# Altium PCB PCB1.PcbDoc
Units mm, origin at the board's own origin, x right, y up, seen from the top; angles counter-clockwise.
Board outline 168.05 x 115.29 mm, 2 copper layers (Top Layer, Bottom Layer); 95 components, 71 nets, 284 pads, 37 vias.
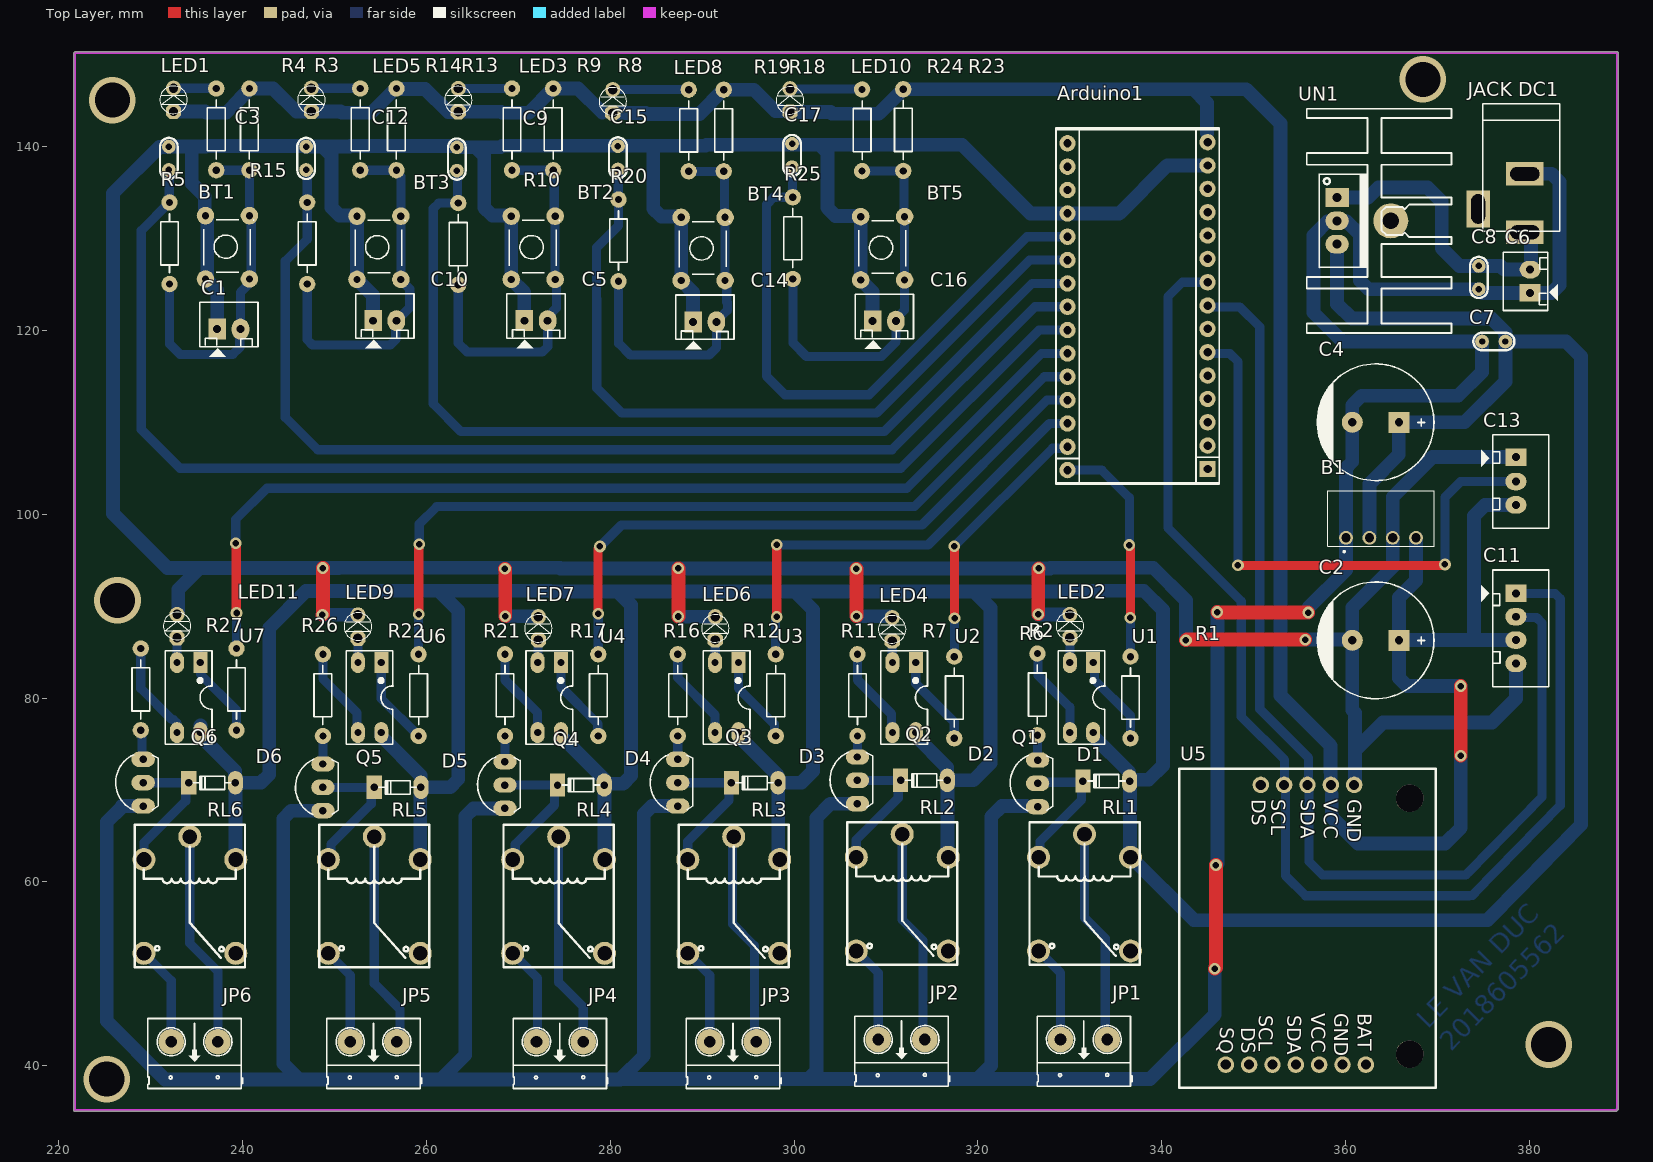
[diagram p0: Top Layer view]
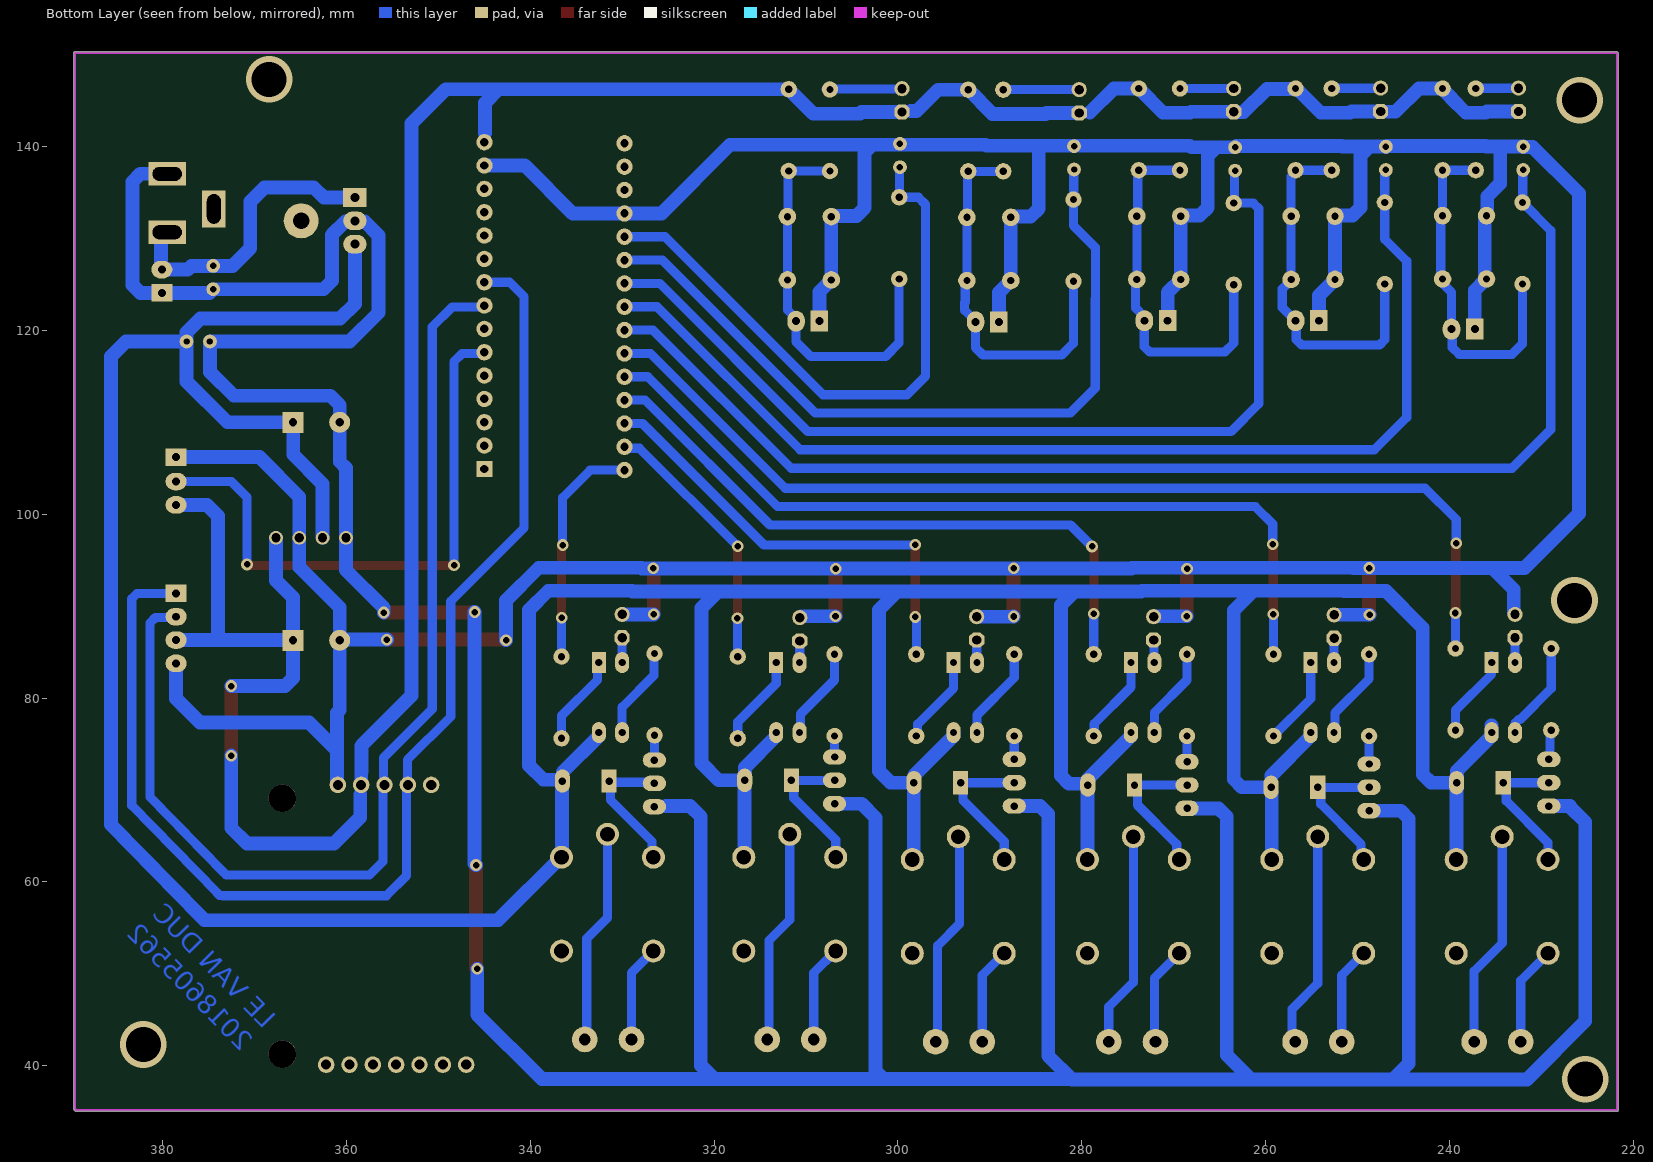
[diagram p1: Bottom Layer view, seen from below]

## Layer stack, top to bottom
Top Solder: solder mask 0.0102, Solder Resist, Dk 3.5
Top Layer: signal copper 0.0356
Dielectric 1: dielectric 0.32, FR-4, Dk 4.8
Bottom Layer: signal copper 0.0356
Bottom Solder: solder mask 0.0102, Solder Resist, Dk 3.5

## Board outline
221.615,35.154 221.615,150.165 cw(c221.742,150.165) 221.652,150.255 221.677,150.28 cw(c221.767,150.191) 221.767,150.318 389.534,150.318 cw(c389.534,150.19) 389.662,150.19 389.662,35.281 cw(c389.534,35.281) 389.624,35.19 389.497,35.064 cw(c389.408,35.153) 389.407,35.026 221.742,35.026 cw(c221.742,35.154)

## Design rules (kind name [scope] priority, off if disabled: settings)
Clearance [All] p1: gap=1 ignorepadtopadclearanceinfootprint=TRUE except(0.254: Arc-Hole Track-Hole SMDPad-Hole THPad-Hole Via-Hole Fill-Hole Poly-Hole Region-Hole Text-Hole)
PolygonConnect [All] p1: connectstyle=Relief reliefconductorwidth=0.254 reliefentries=4 polygonreliefangle="90 Angle" airgapwidth=0.254
RoutingVias [All] p1: holewidth=0.711 width=1.27 viastyle="Through Hole" minholewidth=0.711 minwidth=1.27 maxholewidth=0.711 maxwidth=1.27
SolderMaskExpansion [All] p1: expansion=0.102 istentingtop=FALSE
Width 24v [InNet('NetC6_2')] p1: maxlimit=1.5 minlimit=1.5 preferedwidth=1.5
Width GND_ISO [InNet('GND_ISO')] p2: maxlimit=1.5 minlimit=1.5 preferedwidth=1.5
Width VCC_ISO [InNet('VCC5_ISO')] p3: maxlimit=1.5 minlimit=1.5 preferedwidth=1.5
Width GND [InNet('GND')] p4: maxlimit=1.5 minlimit=1.5 preferedwidth=1.5
Width VCC [InNet('VCC5')] p5: maxlimit=1.5 minlimit=1.5 preferedwidth=1.5
Width SIGNAL [All] p6: maxlimit=1 minlimit=1 preferedwidth=1
30 further rules are at their usual default settings.

## Components (designator, comment, footprint, x,y, rotation, side; value= is the part's Value field where it differs from the comment)
Arduino1 "Arduino Nano" "Arduino Nano" 338.125,122.834 r0 top value="Cau 1A"
B1 "B0505S1W" B0505S1W 360.05,97.434 r0 top
BT1 "SET_CLOSE" "Nut Nhan 4 Chan Cam 6x6" 235.737,125.933 r90 top
BT2 "SET_CLOSE" "Nut Nhan 4 Chan Cam 6x6" 269.011,125.882 r90 top
BT3 "SET_CLOSE" "Nut Nhan 4 Chan Cam 6x6" 252.222,125.882 r90 top
BT4 "SET_CLOSE" "Nut Nhan 4 Chan Cam 6x6" 287.503,125.755 r90 top
BT5 "SET_CLOSE" "Nut Nhan 4 Chan Cam 6x6" 307.035,125.832 r90 top
C1 "Header2" Header2 237.211,120.142 r0 top
C2 "Cap Pol3" CP2/5 365.811,86.284 r180 top value=C?
C3 "104" "tu gom" 231.954,138.735 r90 top
C4 "Cap Pol3" CP2/5 365.811,110.007 r180 top value=C?
C5 "Header2" Header2 270.637,121.056 r0 top
C6 "Header2" Header2 380.086,124.079 r90 top
C7 "104" "tu gom" 376.123,118.796 r180 top
C8 "104" "tu gom" 374.498,125.755 r270 top
C9 "104" "tu gom" 263.296,138.659 r90 top
C10 "Header2" Header2 254.178,121.056 r0 top
C11 "LCD_I2C" Header4 378.536,91.389 r270 top
C12 "104" "tu gom" 246.888,138.735 r90 top
C13 "Header3" Header3 378.536,106.096 r270 top
C14 "Header2" Header2 289.001,120.929 r0 top
C15 "104" "tu gom" 280.822,138.786 r90 top
C16 "Header2" Header2 308.534,121.006 r0 top
C17 "104" "tu gom" 299.771,139.04 r90 top
D1 "100v" "DIODE 0.5A" 333.959,70.968 r0 top
D2 "100v" "DIODE 0.5A" 314.122,71.044 r0 top
D3 "100v" "DIODE 0.5A" 295.707,70.79 r0 top
D4 "100v" "DIODE 0.5A" 276.784,70.536 r0 top
D5 "100v" "DIODE 0.5A" 256.845,70.282 r0 top
D6 "100v" "DIODE 0.5A" 236.652,70.79 r0 top
"JACK DC1" "JACK DC 5.5" "JACK DC 5.5" 376.961,133.858 r270 top value="Jac DC"
JP1 "Header 2_1" HED2 334.061,42.85 r180 top value="Header 2"
JP2 "Header 2_1" HED2 314.222,42.85 r180 top value="Header 2"
JP3 "Header 2_1" HED2 295.885,42.596 r180 top value="Header 2"
JP4 "Header 2_1" HED2 277.038,42.596 r180 top value="Header 2"
JP5 "Header 2_1" HED2 256.769,42.596 r180 top value="Header 2"
JP6 "Header 2_1" HED2 237.287,42.596 r180 top value="Header 2"
LED1 "LED 3mm" LED-3MM-BLUE 232.461,145.225 r90 top
LED2 "LED 3mm" LED-3MM-BLUE 329.997,87.96 r90 top
LED3 "LED 3mm" LED-3MM-BLUE 263.449,145.186 r90 top
LED4 "LED 3mm" LED-3MM-BLUE 310.667,87.605 r90 top
LED5 "LED 3mm" LED-3MM-BLUE 247.46,145.225 r90 top
LED6 "LED 3mm" LED-3MM-BLUE 291.414,87.706 r90 top
LED7 "LED 3mm" LED-3MM-BLUE 272.161,87.706 r90 top
LED8 "LED 3mm" LED-3MM-BLUE 280.264,145.059 r90 top
LED9 "LED 3mm" LED-3MM-BLUE 252.527,87.909 r90 top
LED10 "LED 3mm" LED-3MM-BLUE 299.542,145.161 r90 top
LED11 "LED 3mm" LED-3MM-BLUE 232.842,87.96 r90 top
Q1 "C1815" C1815_cam 326.492,70.714 r90 top
Q2 "C1815" C1815_cam 306.883,71.044 r90 top
Q3 "C1815" C1815_cam 287.325,70.79 r90 top
Q4 "C1815" C1815_cam 268.529,70.536 r90 top
Q5 "C1815" C1815_cam 248.717,70.282 r90 top
Q6 "C1815" C1815_cam 229.159,70.79 r90 top
R1 "100R" R1/4W 336.59,84.506 r270 top value="R1/4W - 1K"
R2 "510R" R1/4W 326.466,84.836 r270 top value="R1/4W - 1K"
R3 "47K" R1/4W 240.716,137.439 r90 top value="R1/4W - 1K"
R4 "100R" R1/4W 237.109,137.439 r90 top value="R1/4W - 1K"
R5 "4.7K" R1/4W 232.029,133.934 r270 top value="R1/4W - 1K"
R6 "100R" R1/4W 317.424,84.506 r270 top value="R1/4W - 1K"
R7 "510R" R1/4W 306.883,84.76 r270 top value="R1/4W - 1K"
R8 "47K" R1/4W 273.774,137.439 r90 top value="R1/4W - 1K"
R9 "100R" R1/4W 269.291,137.439 r90 top value="R1/4W - 1K"
R10 "4.7K" R1/4W 263.449,133.858 r270 top value="R1/4W - 1K"
R11 "100R" R1/4W 297.993,84.76 r270 top value="R1/4W - 1K"
R12 "510R" R1/4W 287.325,84.76 r270 top value="R1/4W - 1K"
R13 "47K" R1/4W 256.718,137.439 r90 top value="R1/4W - 1K"
R14 "100R" R1/4W 252.781,137.439 r90 top value="R1/4W - 1K"
R15 "4.7K" R1/4W 247.004,133.934 r270 top value="R1/4W - 1K"
R16 "100R" R1/4W 278.689,84.76 r270 top value="R1/4W - 1K"
R17 "510R" R1/4W 268.529,84.76 r270 top value="R1/4W - 1K"
R18 "47K" R1/4W 292.329,137.312 r90 top value="R1/4W - 1K"
R19 "100R" R1/4W 288.519,137.312 r90 top value="R1/4W - 1K"
R20 "4.7K" R1/4W 280.886,134.239 r270 top value="R1/4W - 1K"
R21 "100R" R1/4W 259.131,84.76 r270 top value="R1/4W - 1K"
R22 "510R" R1/4W 248.717,84.76 r270 top value="R1/4W - 1K"
R23 "47K" R1/4W 311.874,137.363 r90 top value="R1/4W - 1K"
R24 "100R" R1/4W 307.391,137.338 r90 top value="R1/4W - 1K"
R25 "4.7K" R1/4W 299.847,134.493 r270 top value="R1/4W - 1K"
R26 "510R" R1/4W 239.319,85.395 r270 top value="R1/4W - 1K"
R27 "510R" R1/4W 228.905,85.395 r270 top value="R1/4W - 1K"
RL1 "Relay" RELAY_SRA_05VDC_CL 331.597,58.725 r270 top
RL2 "Relay" RELAY_SRA_05VDC_CL 311.758,58.725 r270 top
RL3 "Relay" RELAY_SRA_05VDC_CL 293.421,58.471 r270 top
RL4 "Relay" RELAY_SRA_05VDC_CL 274.371,58.471 r270 top
RL5 "Relay" RELAY_SRA_05VDC_CL 254.305,58.471 r270 top
RL6 "Relay" RELAY_SRA_05VDC_CL 234.239,58.471 r270 top
U1 "PC817" DIP4/W0.3 332.537,83.858 r180 top
U2 "PC817" DIP4/W0.3 313.233,83.858 r180 top
U3 "PC817" DIP4/W0.3 293.929,83.858 r180 top
U4 "PC817" DIP4/W0.3 274.625,83.858 r180 top
U5 "DS1307_Module" "DS1307 MODULE" 371.622,67.609 r270 top
U6 "PC817" DIP4/W0.3 255.067,83.858 r180 top
U7 "PC817" DIP4/W0.3 235.382,83.858 r180 top
UN1 "L78M05CP" QTO-220H2 359.08,131.928 r270 top

## Footprints (in the part's own frame and the unit in brackets; to place one, negate y for a bottom-side part, rotate by r counter-clockwise, add the part's x,y. Pads: shape width x height; smd on the part's side, far side on the other; paste and mask are expansions set on the pad)
"Arduino Nano" [mil]
  round 70 hole 36: 3V3(270,-605) 5V(270,395) A0(270,-405) A1(270,-305) A2(270,-205) A3(270,-105) A4(270,-5) A5(270,95) A6(270,195) A7(270,295) D2(-330,290) D3(-330,190) D4(-330,90) D5(-330,-10) D6(-330,-110) D7(-330,-210) D8(-330,-310) D9(-330,-410) D10(-330,-510) D11(-330,-610) D12(-330,-710) GND(-330,390) GND(270,595) REF(270,-505) RST(-330,490) RST(270,495) RX0(-330,590) TX1(-330,690) VIN(270,695)
  rect 70x70 hole 36: D13(270,-705)
  silkscreen extent -380,-770 320,755, body extent -380,-924 320,844, height 834
B0505S1W [mm]
  round 1.5 hole 1: 1(0,0) 2(2.54,0) 3(5.08,0) 4(7.62,0)
  silkscreen extent -1.99,-1.6 9.61,5.1, body extent -1.99,-0.9 9.61,5.1, height 10.1
C1815_cam [mil]
  oval 66x100 hole 32: 1(-100,0) 2(0,0) 3(100,0)
  silkscreen extent -117,-65 120,118, body extent -109,-66 109,95, height 245
CP2/5 [mil]
  rect 90x90 hole 35: 1(0,0)
  round 90 hole 35: 2(200,0)
  silkscreen extent -150,-250 350,250, body extent -142,-246 350,246, height 984
"DIODE 0.5A" [mil] "Diode muoi, xung"
  oval 65x100 hole 32: 1(100,0)
  rect 65x100 hole 32: 2(-100,0)
  silkscreen extent -80,-30 80,28, body extent -108,-33 108,32, height 61
DIP4/W0.3 [mil]
  rect 60x90 hole 31: 1(0,0)
  oval 60x90 hole 31: 2(100,0) 3(100,300) 4(0,300)
  silkscreen extent -50,-50 150,350, body extent -59,-10 159,305, height 170
"DS1307 MODULE" [mm]
  round 1.8 hole 1.1: 1(-2.938,-10.688) 2(-2.938,-13.228) 3(-2.938,-15.768) 4(-2.938,-18.308) 5(-2.938,-20.848) 6(27.502,-24.658) 7(27.502,-22.118) 8(27.502,-19.578) 9(27.502,-17.038) 10(27.502,-14.498) 11(27.502,-11.958) 12(27.502,-9.418)
  round 3 hole 3 unplated: ""(-1.488,-4.648) ""(26.362,-4.648)
  silkscreen extent -4.69,-29.74 30,-1.8
Header2 [mil] "CON2"
  rect 75x90 hole 34: 1(0,0)
  oval 75x90 hole 34: 2(100,0)
  silkscreen extent -75,-118 175,115, body extent -68,-70 168,107, height 236
Header3 [mil] "CON 3"
  rect 75x90 hole 34: 1(-5,0)
  oval 75x90 hole 34: 2(100,0) 3(200,0)
  silkscreen extent -100,-150 300,140, body extent -95,-90 295,136, height 276
Header4 [mil] "CON4"
  rect 75x90 hole 34: 1(0,0)
  oval 75x90 hole 34: 2(100,0) 3(200,0) 4(300,0)
  silkscreen extent -100,-150 400,140, body extent -90,-90 398,136, height 276
HED2 [mil]
  round 110 hole 50: 1(0,0) 2(200,0)
  silkscreen extent -106,-100 300,200, body extent -92,-140 302,155, height 394
"JACK DC 5.5" [mm] "Jac DC input"
  rect 2.54x4.064 hole 1.5 slot 3.2 at 90 deg: 1(3.175,2.54) 2(-3.175,2.54)
  rect 4.064x2.54 hole 1.5 slot 3.2 at 0 deg: 3(0.635,-2.54)
  silkscreen extent -10.8,-2.03 3.05,6.35, body extent -10.42,-2.67 3.4,6.84, height 11.02
LED-3MM-BLUE [mil]
  oct 65x65 hole 40: 1(-55,0)
  round 65 hole 40: 2(45,0)
  silkscreen extent -64,-59 54,59, body extent -72,-65 54,65, height 184
"Nut Nhan 4 Chan Cam 6x6" [mil] "SW button 4pin, 250 x250 mil"
  round 75 hole 31: 1(-13,-8) 1(258,-8) 2(-13,-196) 2(258,-196)
  silkscreen extent 15,-215 240,0, body extent -31,-225 281,19, height 276
QTO-220H2 [mil] "TO-220 - 1-2-3"
  round 150 hole 70: 0(0,230)
  rect 80x100 hole 39: 1(-100,0)
  oval 80x100 hole 39: 2(0,0) 3(100,0)
  silkscreen extent -480,-130 480,490, body extent -449,-177 453,469, height 1206
R1/4W [mil]
  round 70 hole 31: 1(0,0) 2(350,0)
  silkscreen extent 48,-38 302,38, body extent -40,-47 386,47, height 111
RELAY_SRA_05VDC_CL [mm]
  round 2.5 hole 1.6: 1(6.25,-5) 2(6.25,5) 3(-3.951,5) 4(-6.45,-0.001) 5(-3.951,-5)
  silkscreen extent -7.75,-6 7.75,6
"tu gom" [mm] "Tu gom mini"
  round 1.5 hole 0.7: 1(-1.27,0) 2(1.27,0)
  silkscreen extent -2.25,-0.97 2.22,0.97, body extent -2.92,-0.85 2.92,0.85, height 6.12

## Part data
Arduino1: "Arduino NANO"
B1: "Power Supply", Manufacturer_Name=Mornsun, Manufacturer_Part_Number=B0505S-1W, Datasheet Link=https://www.mornsun-power.com/uploads/pdf/B_D-1W.pdf, Height=10.41mm
BT1 BT2 BT3 BT4 BT5: library part "Nut Nhan 4 Chan Cam 6x6", "Nut Nhan 4 Chan 6x6mm", Ma_Hang=MH004584, Ten="Nút Nhấn 4 Chân 6x6x5MM DIP"
C1 C5 C6 C10 C14 C16: "Header IDC, 2 x 1 Pin Vertical 2.54mm Pitch (Non-Boxed, Male)", Manufacturer="W¨¹rth Elektronik eiSos GmbH", partNo=613002143121, ComponentLink1 Description=Manufacturer, ComponentLink1URL=http://www.we-online.com, ComponentLink2 Description=Datasheet, ComponentLink2URL=http://katalog.we-online.de/em/datasheet/6130xx143121.pdf, Created by="Karrer Zheng", Created Date="29 March 2013", NoPins=02
C2 C4: "Polarized Capacitor (Surface Mount)", LatestRevisionDate=17-Jul-2002, LatestRevisionNote="Re-released for DXP Platform.", PackageReference=C0805, Publisher="Altium Limited"
C3 C7 C8 C9 C12 C15 C17: library part "Tu gom 104 50V", "Cắm", Chung_Loai=Cắm, Don_Vi=Con, Ma_Hang=MH004761, So_Chan=2, Ten_Linh_Kien="Tụ gốm 104 100nF 50V"
C11: library part Header4, "Header IDC, 4 x 1 Pin Vertical 2.54mm Pitch (Non-Boxed, Male)", Manufacturer="W¨¹rth Elektronik eiSos GmbH", partNo=613002143121, ComponentLink1 Description=Manufacturer, ComponentLink1URL=http://www.we-online.com, ComponentLink2 Description=Datasheet, ComponentLink2URL=http://katalog.we-online.de/em/datasheet/6130xx143121.pdf, Created by="Karrer Zheng", Created Date="29 March 2013", NoPins=02
C13: "Header IDC, 3 x 1 Pin Vertical 2.54mm Pitch (Non-Boxed, Male)", Manufacturer="W¨¹rth Elektronik eiSos GmbH", partNo=613002143121, ComponentLink1 Description=Manufacturer, ComponentLink1URL=http://www.we-online.com, ComponentLink2 Description=Datasheet, ComponentLink2URL=http://katalog.we-online.de/em/datasheet/6130xx143121.pdf, Created by="Karrer Zheng", Created Date="29 March 2013", NoPins=02
D1 D2 D3 D4 D5 D6: library part "Diode 1N4148", "Cắm", Chung_Loai=Cắm, Don_Vi=Con, Ma_Hang=MH001065, Ten_Linh_Kien="Diode 1N4148 DO35 450mA 100V ( 1N4148 DIP)"
JP1 JP2 JP3 JP4 JP5 JP6: "Header, 2-Pin", Manufacturer="Generic Components", Class=Connector
LED1 LED2 LED3 LED4 LED5 LED6 LED7 LED8 LED9 LED10 LED11: library part "LED 3mm Xanh Duong", "Cắm", Chung_Loai=Cắm, Don_Vi=Con, Ma_Hang=MH009003, Ten_Linh_Kien="LED 3MM Xanh Dương SS (1000c)"
Q1 Q2 Q3 Q4 Q5 Q6: "NPN 600mW, ECB"
R1 R2 R3 R4 R5 R6 R7 R8 R9 R10 R11 R12 R13 R14 R15 R16 R17 R18 R19 R20 R21 R22 R23 R24 R25 R26 R27: library part R1/4W, "Resistor 1/4W"
RL1 RL2 RL3 RL4 RL5 RL6: library part RL_SRA-05VDC-CL, "Relay 5 Chan", Ma_Hang=MH009374, Ten="Relay 5V10A SRD-05VDC-SL-C Chính Hãng"
U1 U2 U3 U4 U6 U7: "Single Opto"
UN1: "Positive Voltage Regulator", ComponentLink1Description="Manufacturer Link", ComponentLink1URL=http://www.st.com/, ComponentLink2Description=Datasheet, ComponentLink2URL=http://www.st.com/stonline/products/literature/ds/2146/l78m05c.pdf, DatasheetVersion=Apr-1994, LatestRevisionDate=17-Jul-2002, LatestRevisionNote="Re-released for DXP Platform.", Note="Tab is connected to pin 3 (GND).", PackageDescription="TO, Thru-Hole, Vertical, Heatsink Mounted; 3 In-Line Leads; Pitch 2.54 mm; Pin sequence 1, 3, 2", PackageReference=ISOWATT220AB, PackageVersion=Jul-1998, Published=24-Aug-2001, Publisher="Altium Limited"

## Via types
v1: diameter 1.27, hole 0.711, Top Layer to Bottom Layer, 32 vias
v2: diameter 5.08, hole 3.81, Top Layer to Bottom Layer, 5 vias

## Nets (pads, with @x,y where several pads share a name; then routed paths per layer and width w, separated by ;. In a path a pad name is that pad's centre, name@x,y a point inside that pad or via, vN(x,y) a via of type N, cw(c..) or ccw(c..) an arc to the next point about the centre after c; other vN are vias at no path point)
DOWN: Arduino1.D4 C9.1 R10.1 | length 104.7
  Bottom Layer w1: C9.1 263.373,137.312 263.373,133.934 R10.1 261.317,133.858 260.731,133.272 260.731,112.014 263.735,109.01 309.799,109.01 325.909,125.12 Arduino1.D4
ENTER: Arduino1.D2 C17.1 R25.1 | length 65.9
  Bottom Layer w1: C17.1 299.809,137.731 299.809,134.531 R25.1 297.764,134.493 296.983,133.712 296.983,115.03 299.003,113.01 308.142,113.01 325.332,130.2 Arduino1.D2
GND: "JACK DC1.2" B1.1 C4.2 C6.1 C7.2 C8.2 Q1.1 Q2.1 Q3.1 Q4.1 Q5.1 Q6.1 UN1.2 | length 495.6
  Top Layer w1.5: v1(345.77,50.543) 345.897,50.67 v1(345.897,61.824) ; v1(346.05,89.357) 346.1,89.306 v1(355.93,89.306)
  Bottom Layer w1.5: Q6.1 226.849,68.25 226.849,68.15 225.196,66.497 225.196,44.856 231.549,38.504 246.126,38.504 ; Q5.1 245.277,67.742 244.399,66.863 244.399,40.231 246.126,38.504 ; Q4.1 265.089,67.996 264.211,67.117 264.211,41.171 261.544,38.504 ; Q3.1 284.52,68.25 283.642,67.371 283.642,41.072 281.102,38.532 ; Q2.1 303.962,68.504 302.438,66.98 302.438,39.41 301.559,38.532 ; 325.222,68.25 322.605,68.25 321.437,67.081 321.437,40.005 319.964,38.532 ; v1(345.77,50.543) 345.77,45.568 338.734,38.532 319.964,38.532 ; v1(345.897,61.824) 346.05,61.976 v1(346.05,89.357) ; v1(355.93,89.306) 355.93,89.789 360.05,93.909 B1.1 360.05,105.029 360.731,105.71 C4.2 360.731,111.872 361.759,112.9 372.26,112.9 374.853,115.494 C7.2 374.842,118.785 359.649,118.785 356.503,121.931 356.503,130.346 UN1.2@358.044,131.888 ; UN1.2 359.12,131.888 360.115,131.888 361.58,130.423 361.58,125.404 362.498,124.485 C8.2 374.904,124.079 C6.1 382.405,124.079 383.283,124.958 383.283,136.18 382.405,137.058 379.527,137.058 379.501,137.033 ; 246.126,38.504 261.544,38.504 ; 261.544,38.504 281.074,38.504 281.102,38.532 ; 281.102,38.532 301.559,38.532 ; 301.559,38.532 319.964,38.532
GND_ISO: Arduino1.GND B1.3 BT1.1 BT2.1 BT3.1 BT4.1 BT5.1 C1.1 C2.2 C3.2 C5.1 C9.2 C10.1 C11.4 C12.2 C13.1 C14.1 C15.2 C16.1 C17.2 LED2.2 LED4.2 LED6.2 LED7.2 LED9.2 LED11.2 U5.1 | length 538.7
  Top Layer w1.5: v1(248.666,89.052) 248.717,89.103 v1(248.717,94.143) ; v1(268.529,94.064) 268.529,94.005 268.554,93.98 v1(268.554,88.9) ; v1(287.376,94.132) 287.401,94.107 v1(287.401,88.875) ; v1(306.756,94.056) 306.781,94.031 v1(306.781,88.9) ; v1(326.568,89.108) 326.568,94.057 v1(326.619,94.108) ; v1(342.631,86.284) 342.708,86.36 v1(355.597,86.36)
  Bottom Layer w1.5: LED11.2@232.836,89.139 232.978,89.281 232.978,91.805 235.316,94.143 ; BT1.1@235.941,132.486 235.863,132.564 235.863,134.564 234.454,135.973 234.454,139.841 234.29,140.005 ; BT1.1@236.144,132.436 236.144,125.443 237.211,124.376 C1.1 ; v1(248.666,89.052) LED9.2 ; C10.1 254.178,123.8 252.425,125.552 252.425,132.436 252.348,132.513 250.522,132.513 249.643,133.392 249.643,139.028 248.666,140.005 ; v1(268.554,88.9) 272.069,88.9 272.12,88.849 LED7.2 ; C5.1 270.637,124.13 269.215,125.552 269.215,132.436 269.137,132.513 267.147,132.513 266.268,133.392 266.268,139.05 265.39,139.929 ; v1(287.401,88.875) 287.426,88.849 LED6.2 ; C14.1 289.001,124.13 287.706,125.425 287.706,132.309 287.628,132.386 285.536,132.386 284.658,133.265 284.658,139.7 284.251,140.106 ; v1(306.781,88.9) 310.474,88.9 310.627,88.748 LED4.2 ; C16.1 308.534,124.206 307.238,125.501 307.238,132.385 307.161,132.462 304.51,132.462 303.632,133.341 303.632,139.333 302.753,140.211 ; v1(326.568,89.108) 326.573,89.103 LED2.2 ; v1(342.631,86.284) 342.631,90.621 339.074,94.179 327.894,94.179 327.824,94.108 v1(326.619,94.108) 274.573,94.108 274.502,94.179 250.45,94.179 250.414,94.143 v1(248.717,94.143) 235.316,94.143 ; Arduino1.GND@344.983,137.947 340.589,137.947 335.382,132.74 329.743,132.74 325.73,132.74 318.259,140.211 302.753,140.211 ; v1(355.597,86.36) 360.655,86.36 C2.2 ; U5.1 360.934,70.628 361.036,70.729 361.036,74.295 ; C11.4 378.536,79.934 375.945,77.343 364.084,77.343 361.036,74.295 ; C13.1 369.468,106.223 365.13,101.884 365.13,94.24 360.731,89.841 C2.2 ; 234.29,140.005 235.942,140.005 236.016,140.078 246.734,140.078 246.848,139.965 C12.2 248.666,140.005 ; 234.29,140.005 C3.2 231.914,139.965 230.918,139.965 225.882,134.929 225.882,100.076 231.815,94.143 235.316,94.143 ; 248.666,140.005 251.614,140.005 251.688,140.078 263.147,140.078 C9.2 265.39,139.929 ; 265.39,139.929 268.048,139.929 268.225,140.106 284.251,140.106 ; 284.251,140.106 290.346,140.106 290.451,140.211 302.753,140.211 ; C2.2 360.731,78.689 361.036,78.384 361.036,74.295
LEFT: Arduino1.D5 C12.1 R15.1 | length 121
  Bottom Layer w1: C12.1 246.888,137.33 247.015,137.203 247.015,133.858 247.015,129.933 244.626,127.544 244.626,110.542 248.158,107.01 310.627,107.01 326.198,122.58 Arduino1.D5
LIGHT_SS: Arduino1.A2 C13.2 | length 64.2
  Top Layer w1: v1(348.285,94.437) 370.64,94.437 370.742,94.539 v1(370.815,94.539)
  Bottom Layer w1: Arduino1.A2 345.132,117.479 347.418,117.479 348.31,116.586 348.31,94.463 v1(348.285,94.437) ; v1(370.815,94.539) 370.815,101.854 372.516,103.556 C13.2
NetBT1_2: BT1.2 C1.2 R3.1 R4.1 R5.2 | length 38.5
  Bottom Layer w1: R5.2 232.029,118.542 233.172,117.399 238.912,117.399 239.663,118.15 239.663,120.055 C1.2 239.751,124.139 240.919,125.307 BT1.2@240.919,132.68 ; R4.1 R3.1 BT1.2@240.716,132.486
NetBT2_2: BT2.2 C5.2 R8.1 R9.1 R10.2 | length 41
  Bottom Layer w1: R10.2 263.449,118.618 264.414,117.653 272.591,117.653 273.177,118.239 273.177,121.492 274.142,122.457 274.142,125.4 273.99,125.552 273.99,132.436 273.882,132.544 273.882,137.331 R8.1 R9.1
NetBT3_2: BT3.2 C10.2 R13.1 R14.1 R15.2 | length 39.8
  Bottom Layer w1: R15.2 247.004,118.999 247.59,118.413 256.056,118.413 256.642,118.999 256.642,120.98 258.166,122.504 258.166,124.514 257.2,125.479 257.2,125.552 257.2,132.436 257.2,136.746 256.718,137.229 R13.1 R14.1
NetBT4_2: BT4.2 C14.2 R18.1 R19.1 R20.2 | length 41.9
  Bottom Layer w1: R20.2 280.899,125.337 280.899,118.593 282.169,117.323 290.728,117.323 291.541,118.135 C14.2 291.541,121.006 292.735,122.199 292.735,123.028 292.654,123.109 292.654,125.252 292.481,125.425 292.481,132.309 292.405,132.385 292.405,137.236 R18.1 R19.1
NetBT5_2: BT5.2 C16.2 R23.1 R24.1 R25.2 | length 42.8
  Bottom Layer w1: R25.2@299.872,125.451 299.872,118.643 301.346,117.17 309.474,117.17 311.074,118.77 311.074,121.295 312.014,122.234 312.014,125.501 312.014,132.385 311.944,132.455 311.944,137.293 R23.1 311.861,137.35 307.403,137.35 R24.1
NetC6_2: "JACK DC1.1" C6.2 C8.1 UN1.1 | length 32.3
  Bottom Layer w1.5: UN1.1 362.458,134.468 363.55,135.56 368.935,135.56 370.459,134.036 370.459,128.956 372.294,127.121 ; 372.389,127.025 C8.1 376.852,127.025 377.258,126.619 C6.2 ; 379.501,130.683 379.667,130.683 380.187,130.163 C6.2@380.187,126.806
NetD1_2: D1.2 Q1.2 RL1.5 | length 15.1
  Bottom Layer w1: Q1.2 326.619,70.841 D1.2@331.292,70.841 ; RL1.5 326.759,62.838 326.759,64.403 331.279,68.923 331.279,70.828 D1.2@331.292,70.841 ; D1.2 D1.2@331.292,70.841
NetD2_2: D2.2 Q2.2 RL2.5 | length 15.1
  Bottom Layer w1: RL2.5 306.758,64.569 311.315,69.126 311.315,70.777 D2.2 Q2.2
NetD3_2: D3.2 Q3.2 RL3.5 | length 16.2
  Bottom Layer w1: Q3.2 D3.2 292.9,70.523 292.9,68.872 288.421,64.393 RL3.5
NetD4_2: D4.2 Q4.2 RL4.5 | length 15.8
  Bottom Layer w1: Q4.2 D4.2 273.918,70.21 273.918,68.359 269.658,64.098 269.658,62.709 RL4.5
NetD5_2: D5.2 Q5.2 RL5.5 | length 15.5
  Bottom Layer w1: Q5.2 D5.2 253.979,69.956 253.979,68.486 249.592,64.098 249.592,62.709 RL5.5
NetD6_2: D6.2 Q6.2 RL6.5 | length 15.3
  Bottom Layer w1: Q6.2 D6.2 233.786,70.464 233.786,68.813 229.261,64.288 229.261,62.444 RL6.5
NetJP1_1: JP1.1 RL1.4 | length 23.3
  Bottom Layer w1: RL1.4 331.596,56.084 333.847,53.833 333.847,43.064 JP1.1
NetJP1_2: JP1.2 RL1.1 | length 10.6
  Bottom Layer w1: RL1.1 328.981,50.091 JP1.2
NetJP2_1: JP2.1 RL2.4 | length 23.3
  Bottom Layer w1: RL2.4 311.757,55.883 314.008,53.632 314.008,43.064 JP2.1
NetJP2_2: JP2.2 RL2.1 | length 10.6
  Bottom Layer w1: RL2.1 309.142,50.091 JP2.2
NetJP3_1: JP3.1 RL3.4 | length 23.5
  Bottom Layer w1: RL3.4 293.294,64.795 293.294,55.423 295.671,53.046 295.671,42.81 JP3.1
NetJP3_2: JP3.2 RL3.1 | length 10.6
  Bottom Layer w1: RL3.1 290.805,49.837 JP3.2
NetJP4_1: JP4.1 RL4.4 | length 23.4
  Bottom Layer w1: RL4.4 274.37,49.074 277.038,46.406 JP4.1
NetJP4_2: JP4.2 RL4.1 | length 10.8
  Bottom Layer w1: RL4.1 272.085,49.507 272.085,42.723 JP4.2
NetJP5_1: JP5.1 RL5.4 | length 23.6
  Bottom Layer w1: RL5.4 254.304,48.947 257.099,46.152 257.099,42.926 JP5.1
NetJP5_2: JP5.2 RL5.1 | length 10.6
  Bottom Layer w1: RL5.1 251.689,49.837 JP5.2
NetJP6_1: JP6.1 RL6.4 | length 23.6
  Bottom Layer w1: RL6.4 234.238,53.333 237.287,50.284 JP6.1
NetJP6_2: JP6.2 RL6.1 | length 10.9
  Bottom Layer w1: RL6.1 232.207,49.253 JP6.2
NetLED1_2: LED1.2 R4.2 | length 4.7
  Bottom Layer w1: LED1.2 232.48,146.348 237.09,146.348 R4.2
NetLED2_1: LED2.1 U1.2 | length 2.7
  Bottom Layer w1: U1.2 LED2.1
NetLED3_2: LED3.2 R9.2 | length 5.9
  Bottom Layer w1: LED3.2@263.423,146.177 LED3.2@263.462,146.215 ; LED3.2 R9.2 R9.2@269.252,146.291
NetLED4_1: LED4.1 U2.2 | length 2.4
  Bottom Layer w1: LED4.1 310.68,86.195 310.68,83.871 U2.2
NetLED5_2: LED5.2 R14.2 | length 5.3
  Bottom Layer w1: LED5.2 247.479,146.348 252.762,146.348 R14.2
NetLED6_1: LED6.1 U3.2 | length 3
  Bottom Layer w1: U3.2@291.389,84.381 U3.2 291.401,83.871 291.401,86.296 LED6.1
NetLED7_1: LED7.1 U4.2 | length 3
  Bottom Layer w1: U4.2@272.085,84.381 U4.2 272.123,83.896 272.123,86.271 LED7.1
NetLED8_2: LED8.2 R19.2 | length 8.3
  Bottom Layer w1: LED8.2 R19.2
NetLED9_1: LED9.1 U6.2 | length 2.8
  Bottom Layer w1: LED9.1 U6.2 U6.2@252.627,83.958
NetLED10_2: LED10.2 R24.2 | length 8
  Bottom Layer w1: LED10.2@299.593,146.355 LED10.2 299.58,146.266 307.352,146.266 R24.2 ; R24.2@307.746,146.202 R24.2@307.797,146.253
NetLED11_1: LED11.1 U7.2 | length 2.7
  Bottom Layer w1: U7.2 LED11.1
NetQ1_3: Q1.3 R2.2 | length 2.7
  Bottom Layer w1: R2.2 326.479,75.933 326.479,73.266 Q1.3
NetQ2_3: Q2.3 R7.2 | length 2.3
  Bottom Layer w1: Q2.3 R7.2
NetQ3_3: Q3.3 R12.2 | length 2.5
  Bottom Layer w1: Q3.3 R12.2
NetQ4_3: Q4.3 R17.2 | length 2.8
  Bottom Layer w1: Q4.3 R17.2
NetQ5_3: Q5.3 R22.2 | length 3
  Bottom Layer w1: Q5.3 R22.2
NetQ6_3: Q6.3 R27.2 | length 3.5
  Bottom Layer w1: R27.2 229.032,76.378 229.032,73.457 Q6.3 Q6.3@228.91,73.33
NetR1_2: R1.2 U1.1 | length 9.9
  Bottom Layer w1: U1.1 332.664,83.731 332.664,81.991 336.59,78.065 R1.2
NetR2_1: R2.1 U1.3 | length 10.1
  Bottom Layer w1: R2.1 326.544,84.758 326.544,82.447 329.997,78.994 U1.3
NetR6_2: R6.2 U2.1 | length 10
  Bottom Layer w1: U2.1 313.233,81.585 317.424,77.394 R6.2
NetR7_1: R7.1 U2.3 | length 10.1
  Bottom Layer w1: R7.1 306.883,81.966 310.593,78.256 310.593,76.338 U2.3
NetR11_2: R11.2 U3.1 | length 9.7
  Bottom Layer w1: U3.1 293.929,81.077 297.844,77.162 297.844,76.019 R11.2
NetR12_1: R12.1 U3.3 | length 10.2
  Bottom Layer w1: R12.1 287.325,82.22 291.389,78.156 U3.3
NetR16_2: R16.2 U4.1 | length 9.7
  Bottom Layer w1: U4.1 274.625,81.204 278.635,77.194 278.635,75.924 R16.2
NetR17_1: R17.1 U4.3 | length 10
  Bottom Layer w1: R17.1 268.529,81.966 272.085,78.41 U4.3
NetR21_2: R21.2 U6.1 | length 9.7
  Bottom Layer w1: U6.1 255.067,79.934 R21.2
NetR22_1: R22.1 U6.3 | length 10.1
  Bottom Layer w1: R22.1 248.717,82.093 252.427,78.383 252.427,76.338 U6.3
NetR26_2: R26.2 U7.1 | length 9.8
  Bottom Layer w1: U7.1@235.382,84.633 235.382,82.601 239.319,78.664 R26.2
NetR27_1: R27.1 U7.3 | length 10.1
  Bottom Layer w1: R27.1 228.905,81.053 232.302,77.656 232.438,77.656 232.842,77.252 U7.3@232.842,77.013
RELAY_1: Arduino1.D7 R26.1 | length 112.1
  Top Layer w1: v1(239.243,96.85) 239.281,96.812 239.281,89.294 v1(239.319,89.256)
  Bottom Layer w1: v1(239.243,96.85) 239.243,99.441 242.634,102.833 312.254,102.833 326.922,117.5 Arduino1.D7 ; R26.1 v1(239.319,89.256)
RELAY_2: Arduino1.D8 R21.1 | length 91.4
  Top Layer w1: v1(259.156,89.129) 259.156,96.672 v1(259.207,96.723)
  Bottom Layer w1: R21.1 259.131,89.103 v1(259.156,89.129) ; v1(259.207,96.723) 259.207,98.933 261.107,100.833 313.083,100.833 327.21,114.96 Arduino1.D8
RELAY_3: Arduino1.D9 R16.1 | length 69.3
  Top Layer w1: v1(278.663,89.179) 278.663,96.217 278.867,96.42 v1(278.867,96.493)
  Bottom Layer w1: v1(278.663,89.179) 278.676,89.167 278.676,84.772 R16.1 ; v1(278.867,96.493) 281.206,98.833 313.911,98.833 327.499,112.42 Arduino1.D9
RELAY_4: Arduino1.D10 R11.1 | length 49.1
  Top Layer w1: v1(298.094,88.824) 298.107,88.837 298.107,96.685 v1(298.12,96.698)
  Bottom Layer w1: R11.1 297.993,85.106 297.98,85.119 297.98,88.636 298.094,88.751 v1(298.094,88.824) ; v1(298.12,96.698) 298.163,96.655 314.562,96.655 327.787,109.88 Arduino1.D10
RELAY_5: Arduino1.D11 R6.1 | length 28.8
  Top Layer w1: v1(317.435,96.509) 317.442,96.502 317.442,88.704 v1(317.449,88.697)
  Bottom Layer w1: R6.1 317.436,84.519 317.436,88.684 v1(317.449,88.697) ; v1(317.435,96.509) 328.117,107.192 329.594,107.192 Arduino1.D11
RELAY_6: Arduino1.D12 R1.1 | length 25.3
  Top Layer w1: v1(336.472,96.648) 336.472,96.575 336.58,96.468 336.58,88.872 336.575,88.868 v1(336.575,88.748)
  Bottom Layer w1: Arduino1.D12 333.477,104.8 336.472,101.805 v1(336.472,96.648) ; v1(336.575,88.748) 336.583,88.74 336.583,84.513 R1.1
RIGHT: Arduino1.D3 C15.1 R20.1 | length 84.1
  Bottom Layer w1: C15.1 280.854,137.484 280.854,134.271 R20.1 280.886,131.411 278.497,129.022 278.497,123.463 278.511,123.449 278.511,113.741 281.242,111.01 308.97,111.01 325.621,127.66 Arduino1.D3
SCL: Arduino1.A5 C11.1 U5.4 | length 135.5
  Bottom Layer w1: Arduino1.A5 342.24,125.247 340.665,123.673 340.665,98.527 348.658,90.534 348.658,77.977 353.365,73.27 U5.4@353.365,70.779 ; U5.4 353.467,70.394 353.467,60.68 355.651,58.496 373.425,58.496 373.803,58.549 374.043,58.789 ccw(c373.336,59.496) 374.051,58.797 383.362,68.312 383.362,90.803 382.776,91.389 C11.1
SDA: Arduino1.A4 C11.2 U5.3 | length 118.7
  Bottom Layer w1: Arduino1.A4 345.132,122.559 345.682,122.559 345.684,122.556 348.487,122.556 350.658,120.385 350.658,78.806 355.981,73.482 355.981,70.674 U5.3 355.854,70.33 356.007,70.177 356.007,62.229 357.48,60.757 373.068,60.757 373.361,61.05 ccw(c372.654,61.757) 373.369,61.057 381.362,69.226 381.362,88.176 380.776,88.762 378.624,88.762 C11.2
UP: Arduino1.D6 C3.1 R5.1 | length 138.3
  Bottom Layer w1: C3.1 231.991,137.427 231.991,133.972 R5.1 228.956,130.861 228.956,109.22 233.165,105.01 311.603,105.01 326.633,120.04 Arduino1.D6
VCC5: B1.2 C4.1 C7.1 D1.1 D2.1 D3.1 D4.1 D5.1 D6.1 RL1.3 RL2.3 RL3.3 RL4.3 RL5.3 RL6.3 U1.4 U2.4 U3.4 U4.4 U6.4 U7.4 UN1.3 | length 508
  Bottom Layer w1.5: U7.4@235.382,77.013 235.386,77.008 235.386,75.865 239.163,72.089 239.163,70.819 D6.1 ; RL6.3 239.239,62.86 239.215,62.883 239.215,70.766 D6.1 ; U6.4 255.067,75.857 259.356,71.568 259.356,70.311 D5.1 ; RL5.3 259.305,69.716 259.385,69.796 D5.1 ; U4.4 274.625,75.857 279.295,71.187 279.295,70.565 D4.1 ; RL4.3 279.347,62.445 279.347,70.512 D4.1 ; U3.4 293.929,75.857 298.218,71.568 298.218,70.819 D3.1 D3.1@298.276,70.79 ; RL3.3 298.276,62.567 D3.1@298.276,70.79 ; U2.4 313.233,75.857 316.633,72.457 316.633,71.073 D2.1 ; RL2.3 316.691,62.743 316.691,71.015 D2.1 ; U1.4 332.537,75.857 D1.1@336.47,71.924 ; D1.1 336.528,70.939 336.528,62.744 RL1.3 336.641,62.676 343.487,55.829 375.433,55.829 375.873,56.269 375.878,56.274 375.884,56.28 385.612,66.221 385.612,117.155 383.972,118.796 C7.1 ; D1.1@336.499,71.05 336.569,71.12 338.582,71.12 340.131,72.669 340.131,89.586 338.038,91.679 328.93,91.679 328.859,91.608 319.542,91.608 ; UN1.3 359.08,129.065 359.08,122.89 360.685,121.285 373.807,121.285 373.818,121.296 375.889,121.296 377.393,119.791 C7.1 ; B1.2 362.59,103.307 365.785,106.502 365.785,109.982 C4.1 372.948,110.007 377.393,114.452 C7.1 ; D6.1 241.996,70.79 242.875,71.668 242.875,87.64 246.878,91.643 251.45,91.643 251.485,91.679 261.3,91.679 ; D5.1 262.57,70.282 263.449,71.16 263.449,89.53 261.3,91.679 ; 261.3,91.679 273.467,91.679 273.537,91.608 280.756,91.608 ; D4.1 279.324,70.593 279.394,70.663 281.366,70.663 282.245,71.541 282.245,90.119 280.756,91.608 ; 280.756,91.608 300.06,91.608 ; D3.1@298.276,70.79 300.787,70.79 302.057,72.06 302.057,89.611 300.06,91.608 ; 300.06,91.608 319.542,91.608 ; D2.1 319.481,71.044 321.361,72.923 321.361,89.789 319.542,91.608
VCC5_ISO: Arduino1.VIN B1.4 C2.1 C11.3 C13.3 LED1.1 LED3.1 LED5.1 LED8.1 LED10.1 R3.2 R8.2 R13.2 R18.2 R23.2 U5.2 | length 296.7
  Top Layer w1.5: v1(372.542,73.736) v1(372.542,81.305)
  Bottom Layer w1.5: LED1.1@232.512,143.827 235.879,143.827 236.016,143.69 238.202,143.69 239.748,145.236 239.748,145.286 240.716,146.254 R3.2 243.307,146.329 245.844,143.792 LED5.1@246.71,143.792 ; LED5.1 250.636,143.827 250.773,143.69 253.977,143.69 256.477,146.19 256.504,146.19 256.643,146.329 R13.2 256.771,146.276 259.846,146.276 262.369,143.754 LED3.1@263.144,143.754 ; LED3.1 268.098,143.789 268.197,143.69 271.135,143.69 R8.2 276.494,146.329 279.116,143.708 ; LED8.1 283.845,143.662 283.944,143.563 289.69,143.563 R18.2 295.605,146.202 297.942,143.866 298.577,143.866 ; LED10.1 303.95,143.764 304.125,143.589 309.209,143.589 R23.2 343.433,146.253 ; 344.93,141.455 344.93,144.757 343.433,146.253 ; U5.2 358.394,71.984 358.369,72.009 358.369,74.819 352.908,80.28 352.908,142.519 349.174,146.253 343.433,146.253 ; 358.504,69.489 358.504,66.997 361.34,64.16 370.815,64.16 372.542,65.888 v1(372.542,73.736) ; B1.4 367.67,92.789 365.811,90.93 C2.1 ; v1(372.542,81.305) 366.689,81.305 365.811,82.184 C2.1 ; C11.3 373.99,86.309 ; C13.3 375.183,101.016 373.99,99.822 373.99,86.309 ; C2.1 365.836,86.309 373.99,86.309
pads on no net: "JACK DC1.3" Arduino1.3V3 Arduino1.5V Arduino1.A0 Arduino1.A1 Arduino1.A3 Arduino1.A6 Arduino1.A7 Arduino1.D13 Arduino1.REF Arduino1.RST Arduino1.RX0 Arduino1.TX1 RL1.2 RL2.2 RL3.2 RL4.2 RL5.2 RL6.2 U5. U5.5 U5.6 U5.7 U5.8 U5.9 U5.10 U5.11 U5.12 UN1.0
copper on no net:
  other v2: 225.196,38.532 382.092,42.291 226.365,90.627 225.806,145.059 368.402,147.32

## Keep-outs
Keep-Out Layer:
  lines w0.254: 221.742,35.154 221.742,150.165 221.767,150.165 221.793,150.19 389.534,150.19 389.534,35.281 389.407,35.154 221.742,35.154

## Other copper
Bottom Layer:
  text "LE VAN DUC  / 2018605562" at 371.981,40.97 h3.52 r45.62

## Text inside footprints (layer, text, board x,y; h text height)
U5: Top Overlay "GND" at 360.184,68.995 h1.5 r270; Top Overlay "VCC" at 357.644,68.995 h1.5 r270; Top Overlay "SDA" at 355.104,68.995 h1.5 r270; Top Overlay "SCL" at 351.929,68.995 h1.5 r270; Top Overlay "DS" at 349.77,68.995 h1.5 r270; Top Overlay "VCC" at 356.247,45.723 h1.5 r270; Top Overlay "DS" at 348.627,44.199 h1.5 r270; Top Overlay "SQ" at 346.343,44.251 h1.5 r266; Top Overlay "SDA" at 353.651,45.469 h1.5 r270; Top Overlay "SCL" at 350.532,45.469 h1.5 r270; Top Overlay "BAT" at 361.327,45.723 h1.5 r270; Top Overlay "GND" at 358.787,45.723 h1.5 r270